# Altium PCB xialeste.PcbDoc (part 9 of 10) (continued)
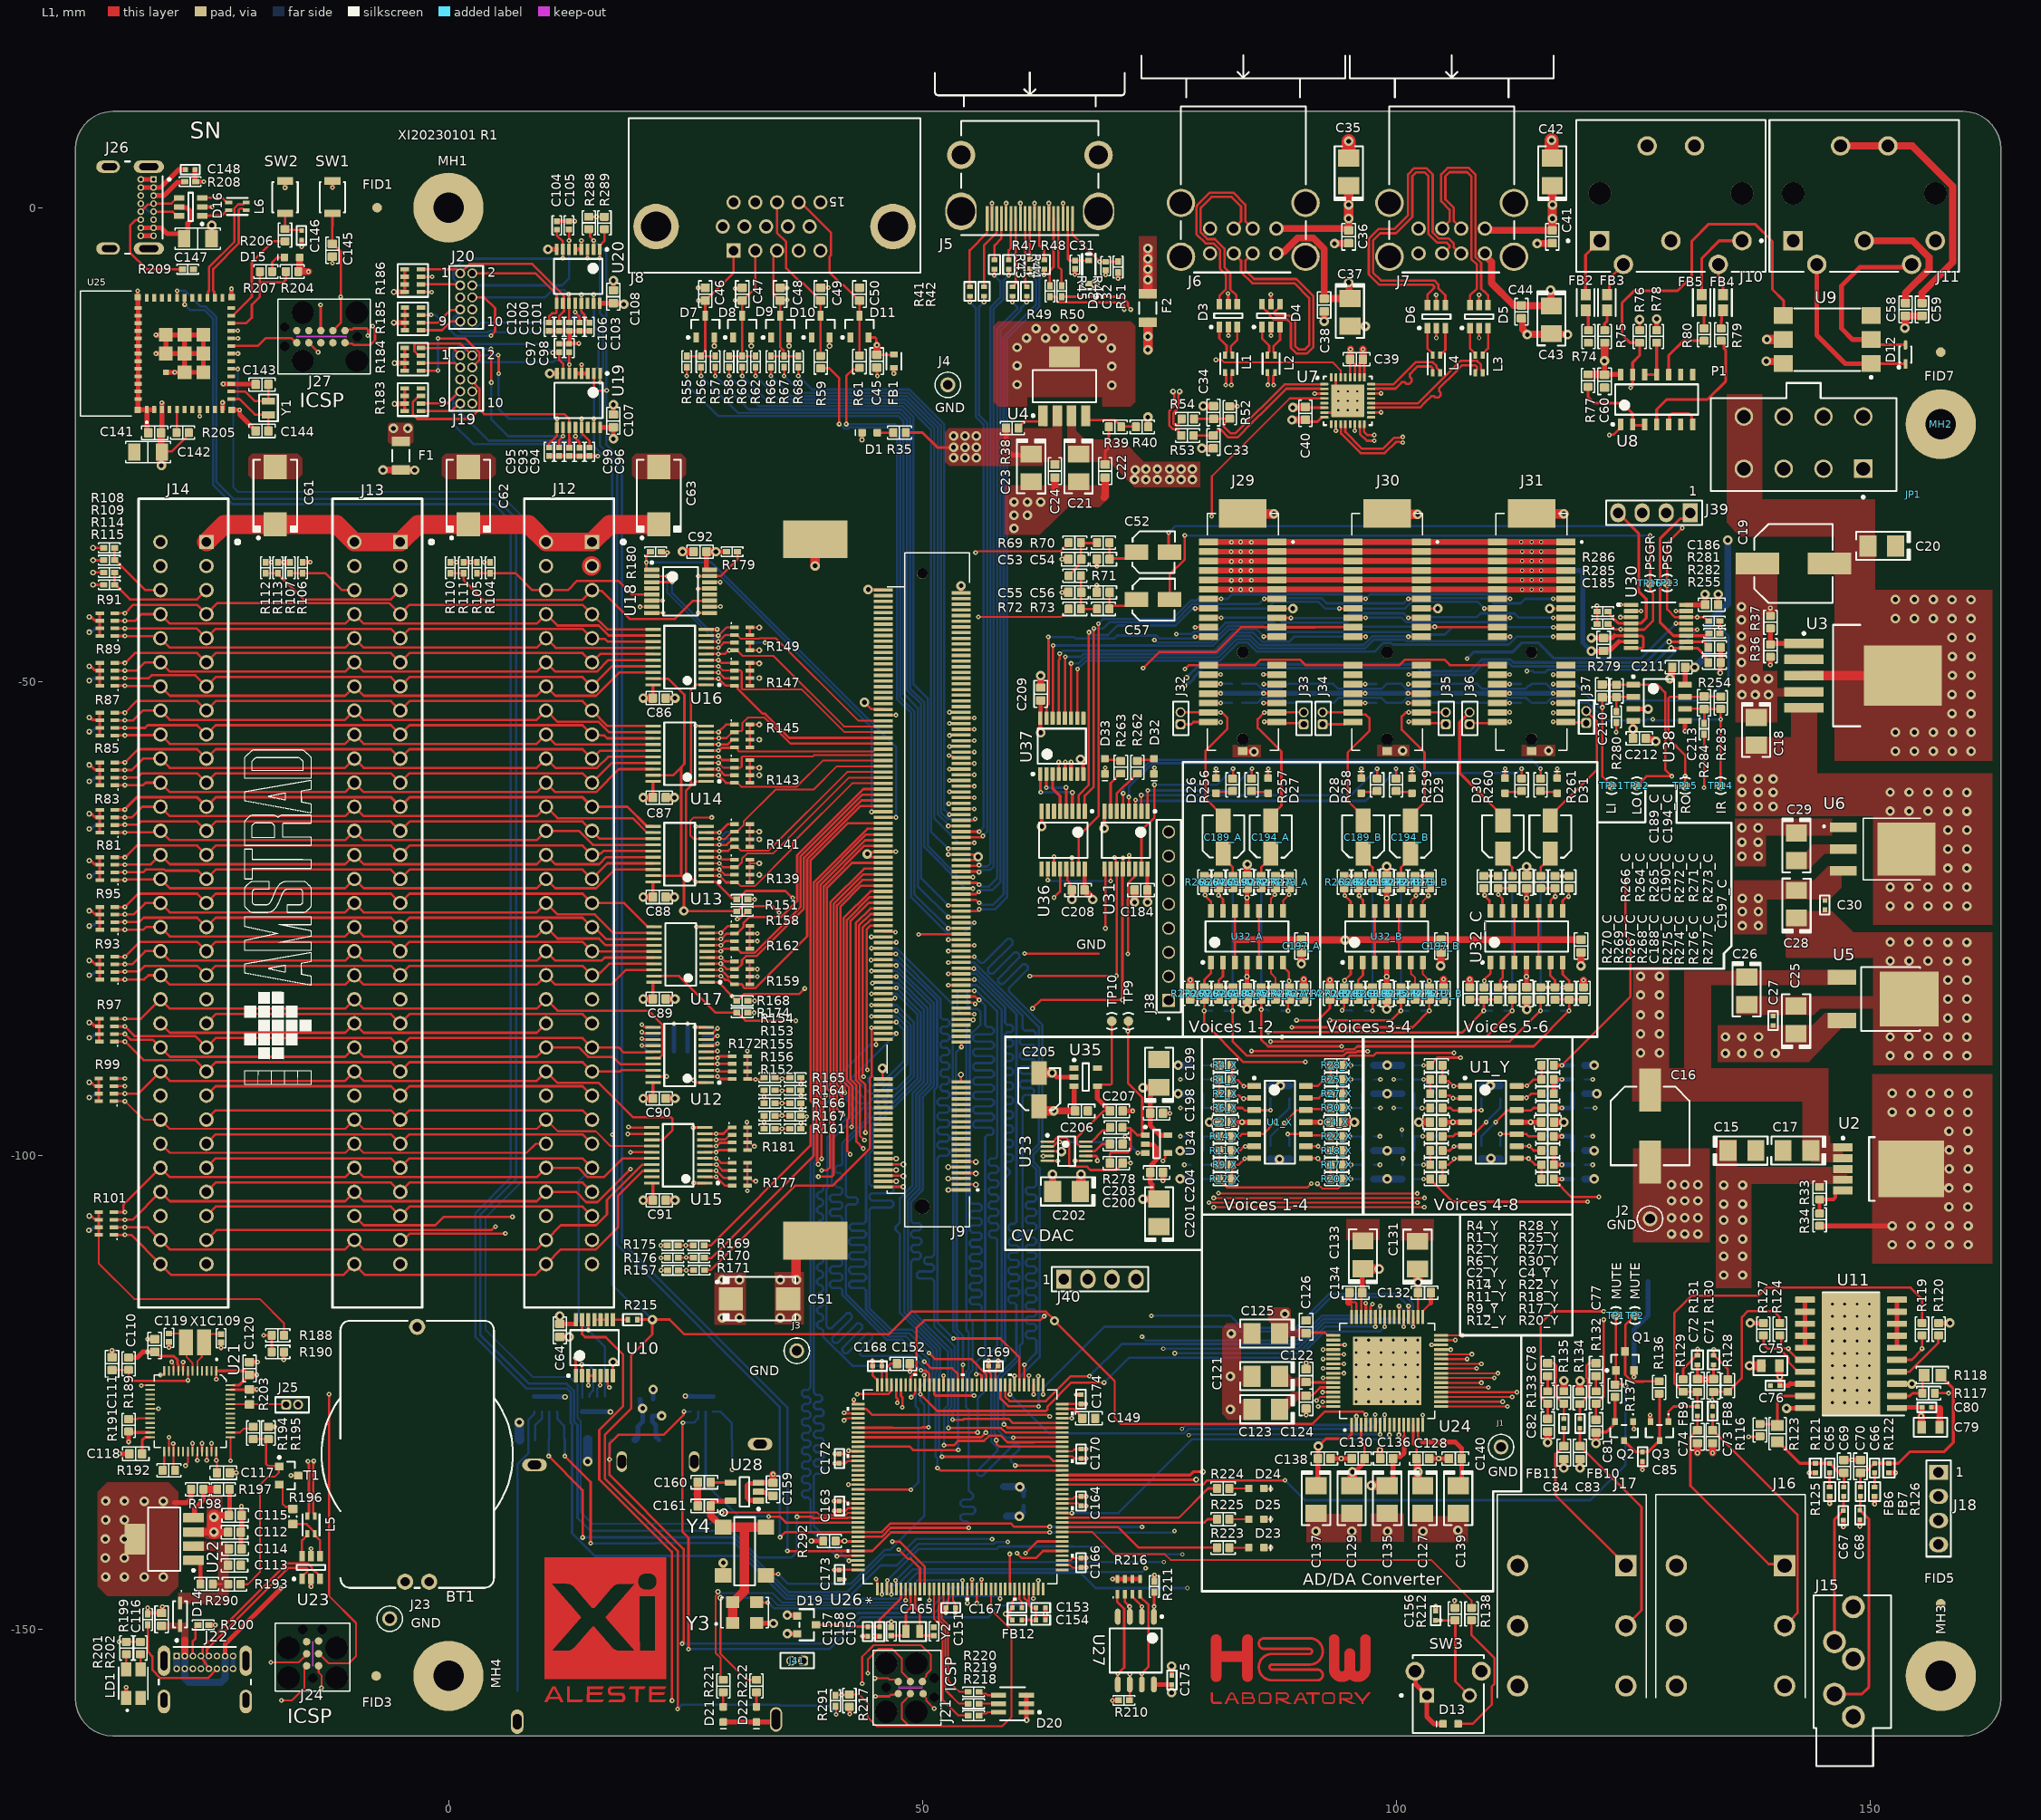
[diagram p0: L1 view]
## Nets (pads, with @x,y where several pads share a name; then routed paths per layer and width w, separated by ;. In a path a pad name is that pad's centre, name@x,y a point inside that pad or via, vN(x,y) a via of type N, cw(c..) or ccw(c..) an arc to the next point about the centre after c; other vN are vias at no path point) (continued)
SDMMC2_D0: J28.7 R214.1 U26.75 | length 81.8
  L1 w0.25: v1@12.251,-131.692 12.251,-131.716 15.008,-134.473 v1(15.008,-140.95) ; v1(61.75,-125.229) U26.75@61.75,-124.224
  L3 w0.25: v1(59.04,-140.796) 59.083,-140.796 61.375,-138.505 61.375,-125.671 61.75,-125.296 v1(61.75,-125.229)
  L6 w0.25: R214.1@11.45,-127.05 11.474,-127.074 11.474,-127.811 12.204,-128.541 12.204,-129.882 12.252,-129.93 J28.7@12.27,-130.02 12.279,-130.029 v1(12.279,-131.744) ; v1(15.008,-140.95) 21.809,-140.95 21.854,-140.905 30.2,-140.905 35.745,-146.45 42.439,-146.45 45.608,-143.28 47.32,-143.28 49.603,-140.997 57.578,-140.997 57.771,-140.804 59.033,-140.804 v1(59.04,-140.796)
SDMMC2_D1: J28.8 R214.2 U26.76 | length 83.5
  L1 w0.25: v1@10.612,-131.682 10.612,-131.782 14.161,-135.331 v1(14.161,-140.334) ; U26.76@61.25,-124.224 v1(61.249,-123.251)
  L3 w0.25: v1(57.371,-140.497) 58.463,-139.404 59.98,-139.404 61.025,-138.36 61.025,-125.086 61.249,-124.862 v1(61.249,-123.251)
  L6 w0.25: v1(10.574,-131.744) 10.574,-130.024 J28.8@10.57,-130.02 10.592,-129.951 10.65,-129.893 R214.2@10.65,-127.05 ; v1(14.161,-140.334) 14.178,-140.317 30.107,-140.317 35.89,-146.1 42.082,-146.1 46.016,-142.166 47.634,-142.166 49.303,-140.497 v1(57.371,-140.497)
SDMMC2_D2: J28.9 R213.1 U26.126 | length 21.3
  L1 w0.25: v1@42.207,-134.749 U26.126@43.224,-134.75
  L3 w0.25: v1(29.937,-133.178) 35.033,-133.178 36.605,-134.75 v1(42.206,-134.749) v1(42.206,-134.749)
  L6 w0.25: R213.1@27.95,-127.05 28.695,-127.05 29.89,-128.244 J28.9@29.89,-130.02 29.937,-130.067 v1(29.937,-133.178)
SDMMC2_D3: J28.1 R213.2 U26.134 | length 25.4
  L1 w0.25: v1(33.793,-138.125) 34.976,-138.125 35.601,-138.75 U26.134@43.224,-138.75
  L6 w0.25: R213.2@27.15,-127.05 27.15,-129.649 27.15,-134.658 30.586,-138.093 33.761,-138.093 v1(33.793,-138.125)
SER_VUSB: C147.2 C148.1 D16.5 J26.A4 J26.A9 J26.B4 J26.B9 | length 21
  L1 w0.5: J26.B4@-32.47,-2.125 J26.A9@-31.12,-2.125 -30.314,-2.125 -29.68,-2.759 C147.2@-28.18,-2.759 ; J26.B9@-32.47,2.125 J26.A4@-31.12,2.125 -30.374,2.125 -28.499,4 C148.1@-27.75,4 ; D16.5@-28.4,0.075 -28.35,0.025 -27.625,0.025 -27.2,-0.4 -27.2,-1.329 -27.505,-1.634 -27.505,-2.705 C147.2@-27.9,-3.1
  L1 w0.75: C147.2@-28.18,-2.759 -27.905,-3.034 C147.2@-27.905,-3.284
  L4 (PWR) w0.4: J26.B4@-32.47,-2.125 -33.113,-2.125 -33.552,-1.686 -33.552,1.686 -33.113,2.125 J26.B9@-32.47,2.125
SPI1_MISO: U26.42
SPI1_MOSI: J40.3 U26.43 U33.5 | length 53
  L1 w0.25: v1(60.9,-142) 62.15,-140.75 U26.43@64.776,-140.75 ; U33.5@63.202,-100.572 64.272,-100.572 v1(64.3,-100.6)
  L3 w0.25: v1(60.9,-142) 62.6,-140.3 62.6,-127.736 64.191,-126.146 64.191,-120.909 70.017,-115.083 J40.3@70.017,-113.072 ; v1(64.3,-100.6) 64.9,-101.2 64.9,-105.5 70.044,-110.644 J40.3@70.044,-113.044
SPI1_nCS: J40.4 U26.110 U33.6 U36.11 U37.4 | length 101.2
  L1 w0.25: U26.110@43.522,-126.75 43.524,-126.752 44.071,-126.752 44.719,-127.4 63.228,-127.4 63.384,-127.556 v1(63.452,-127.556) ; U36.11@63.899,-69.899 v1(63.9,-68.5) v1(63.9,-68.5) ; v1(64.4,-58.5) 64.401,-58.501 U37.4@64.402,-59.772 U37.4@64.402,-59.772 ; v1(66.127,-100.57) 66.129,-100.572 U33.6@67.252,-100.572
  L3 w0.25: v1(63.452,-127.556) 64.541,-126.467 64.541,-123.159 72.557,-115.143 72.557,-113.272 J40.4@72.557,-113.072 72.557,-110.757 65.477,-103.677 65.477,-101.22 v1(66.127,-100.57) 66.127,-86.227 64.6,-84.7 64.6,-70.026 63.9,-69.326 v1(63.9,-68.5) 63.9,-59 v1(64.4,-58.5)
SPI1_SCK: J40.2 U26.41 U33.4 U36.12 | length 83.7
  L1 w0.2: v1(62.75,-100.097) 62.775,-100.072 U33.4@63.202,-100.072
  L1 w0.25: v1(60,-142) 60.475,-142.475 62.02,-142.475 62.745,-141.75 U26.41@64.776,-141.75 ; v1(63.9,-72.8) 64.547,-72.153 U36.12@64.547,-69.8
  L3 w0.25: v1(60,-142) 62.2,-139.8 62.2,-127.641 63.841,-126.001 63.841,-118.659 67.477,-115.023 67.477,-113.272 J40.2@67.477,-113.072 67.477,-110.651 62.75,-105.924 v1(62.75,-100.097) ; v1@62.716,-100.063 62.716,-85.984 63.9,-84.8 v1(63.9,-72.8)
SPI2_MISO: U26.28
SPI2_MOSI: J38.03 U26.29 U31.14 | length 94.3
  L1 w0.25: v1(59.233,-142.071) 59.242,-142.079 59.242,-145.731 U26.29@59.254,-145.743 ; v1(60.79,-78.712) 60.821,-78.742 68.61,-78.742 ; v5(71.7,-78.74) 71.7,-73.625 71.675,-73.6 71.675,-73 71.7,-72.975 71.7,-71.3 72.375,-70.625 72.375,-69.9 U31.14@72.475,-69.8 U31.14@72.461,-69.786
  L3 w0.25: v1(59.233,-142.071) 61.804,-139.5 61.804,-126.308 61.948,-126.164 61.948,-125.961 62.225,-125.684 62.225,-125.082 62.719,-124.588 62.719,-120.065 60.475,-117.822 60.475,-82.131 60.79,-81.816 v1(60.79,-78.712) ; 68.612,-78.74 v5(71.7,-78.74) ; v5(71.7,-78.74) 71.748,-78.692 75.779,-78.692 J38.03@76.075,-78.396
SPI2_nCS: J29.A9 J30.A9 J31.A9 J38.02 U26.73 U31.11 | length 149.5
  L1 w0.25: v1(61.349,-81.082) 61.37,-81.062 v1(70.503,-81.062) 70.514,-81.051 70.514,-69.811 U31.11@70.525,-69.8 70.425,-69.7 70.425,-68.759 70.294,-68.628 v1(70.294,-68.574) ; v1(62.75,-125.229) U26.73@62.75,-124.224 ; J29.A9@87.42,-43.28 87.43,-43.29 88.89,-43.29 v1(88.9,-43.3) ; v1(101.3,-43.28) J30.A9@102.66,-43.28 ; v1@116.6,-43.28 J31.A9@117.9,-43.28
  L3 w0.25: v1(61.349,-81.082) 61.349,-82.824 60.874,-83.299 60.874,-117.374 63.163,-119.663 63.163,-124.793 v1@62.723,-125.233 ; v1(70.294,-68.574) 70.294,-60.506 70.9,-59.9 70.9,-45.405 72.205,-44.1 77.5,-44.1 78.155,-44.755 79.398,-44.755 81.348,-42.805 83.205,-42.805 83.7,-43.3 v1(88.9,-43.3) ; v1(70.503,-81.062) 70.532,-81.091 75.971,-81.091 J38.02@76,-81.12
  L6 w0.25: v1(88.9,-43.3) 94.578,-43.3 95.073,-42.805 100.825,-42.805 v1(101.3,-43.28) ; v1@101.4,-43.2 108.525,-43.2 108.92,-42.805 112.483,-42.805 112.958,-43.28 v1(116.575,-43.28)
SPI2_SCK: J29.B9 J30.B9 J31.B9 J38.01 U26.101 U31.12 | length 154.2
  L1 w0.25: U26.101@48.75,-124.224 48.765,-124.209 48.765,-123.407 49.386,-122.786 49.386,-118.248 50.221,-117.413 62.428,-117.413 v1(62.866,-116.976) ; v1(61.631,-84.509) 62.535,-83.605 v1(71.121,-83.605) 71.121,-69.854 U31.12@71.175,-69.8 ; U31.12@71.18,-69.68 71.18,-68.618 v1(71.185,-68.613) ; J29.B9@80.22,-43.28 v1(81.545,-43.28) ; J30.B9@95.46,-43.28 v1(96.785,-43.28) ; J31.B9@110.7,-43.28 v1(112.025,-43.28)
  L3 w0.25: v1(61.631,-84.509) 61.583,-84.557 61.583,-84.723 61.525,-84.78 61.525,-115.635 62.832,-116.942 v1@62.924,-116.942 ; v1(71.121,-83.605) 75.805,-83.605 J38.01@75.9,-83.7 ; v1(71.185,-68.613) 70.725,-68.154 70.725,-60.675 71.3,-60.1 71.3,-45.5 72.3,-44.5 77.1,-44.5 78.375,-45.775 79.525,-45.775 81.545,-43.755 v1(81.545,-43.28)
  L6 w0.25: v1(81.545,-43.28) 87.48,-43.28 87.975,-43.775 94.825,-43.775 95.32,-43.28 v1(96.785,-43.28) 100.628,-43.28 101.103,-43.755 103.878,-43.755 103.883,-43.75 111.555,-43.75 112,-43.305 v1@112,-43.3
SPI_D1: J29.B10 J38.04 U31.9 | length 55.9
  L1 w0.25: U31.9@69.1,-69.7 69.329,-69.929 v1(69.329,-76.049) ; v1@78.82,-44.28 J29.B10@80.22,-44.28
  L3 w0.25: J38.04@76,-76.04 75.995,-76.045 69.334,-76.045 v1(69.329,-76.049) 69.329,-67.029 68.475,-66.175 68.475,-61.73 70.5,-59.705 70.5,-45.1 72,-43.6 77.7,-43.6 78.38,-44.28 v1(78.8,-44.28)
SPI_D2: J29.A10 J30.B10 J38.05 | length 50.1
  L1 w0.25: v1(73.3,-48.6) 75,-46.9 81,-46.9 83.62,-44.28 J29.A10@87.42,-44.28 87.43,-44.29 91.435,-44.29 91.445,-44.28 J30.B10@95.46,-44.28
  L3 w0.25: v1(73.3,-48.6) 73.3,-55.564 74.975,-57.239 74.975,-64.135 74.74,-64.37 74.74,-70.987 76,-72.247 J38.05@76,-73.4
SPI_D3: J30.A10 J31.B10 J38.06 | length 66.1
  L1 w0.25: J30.A10@102.66,-44.28 102.688,-44.253 104.053,-44.253 v1(104.08,-44.225) ; v1@104.08,-44.28 J31.B10@110.7,-44.28
  L3 w0.25: J38.06@76,-70.9 76,-69.707 75.09,-68.797 75.09,-65.005 76.15,-63.945 76.15,-57.248 74.025,-55.123 74.025,-45.428 74.453,-45 v1(76.8,-45)
  L6 w0.25: v1(76.8,-45) 78.428,-45 78.673,-44.755 81.045,-44.755 82,-43.8 87.1,-43.8 87.525,-44.225 v1@104.075,-44.225
SPI_D4: J31.A10 J38.07 | length 69.1
  L1 w0.25: v1(116.6,-44.3) 116.61,-44.29 117.89,-44.29 J31.A10@117.9,-44.28
  L3 w0.25: v1(74.5,-45.625) 74.548,-45.673 74.548,-45.844 74.6,-45.896 74.6,-55.203 76.91,-57.513 76.91,-66.69 76.09,-67.51 76.09,-68.33 J38.07@76,-68.42
  L6 w0.25: v1@74.5,-45.6 74.529,-45.6 74.804,-45.875 80.525,-45.875 82.25,-44.15 85.95,-44.15 86.605,-44.805 101.497,-44.805 101.742,-45.05 105.15,-45.05 105.92,-44.28 116.58,-44.28 v1(116.6,-44.3)
SPI_SDO: U33.7 U36.14 | length 35.9
  L1 w0.2: v1(65.8,-68.6) 65.824,-68.624 65.824,-69.776 U36.14@65.847,-69.8
  L1 w0.25: U33.7@67.252,-100.072 68.331,-100.072 68.477,-100.218 v1(68.477,-100.572)
  L3 w0.2: v1(65.8,-68.6) 67.3,-70.1 67.3,-99.395 v1(68.477,-100.572)
STUSB_D_N: L5.4 U21.32 | length 19.3
  L1 w0.25: v1(-26.5,-132.2) U21.32@-26.5,-131.62 ; L5.4@-14.9,-138.075 -14.9,-137.9 -14.725,-137.725 -14.725,-135.237 -14.725,-132.588 -14.799,-132.513 -14.799,-132.324 v1(-14.838,-132.286)
  L3 w0.2: v1(-26.5,-132.2) -26.5,-131.8 -26.324,-131.624 -14.887,-131.624 -14.75,-131.761 -14.75,-132.044 -14.79,-132.084 -14.79,-132.212 v1@-14.826,-132.248
  L6 w0.25: v1(-14.838,-132.286) -14.838,-132.31 v1@-14.812,-132.336
STUSB_D_P: L5.3 U21.33 | length 20.1
  L1 w0.25: U21.33@-26,-131.25 v1(-26,-130.4) ; -14.275,-135.423 -14.275,-137.725 -14.1,-137.9 L5.3@-14.1,-138.075 ; -14.275,-135.423 -14.275,-132.571 -14.251,-132.547 -14.251,-132.29 v1(-14.212,-132.252)
  L3 w0.2: v1(-26,-130.4) -26,-131.056 -25.883,-131.174 -14.701,-131.174 -14.3,-131.574 -14.3,-132.01 -14.26,-132.05 -14.26,-132.204 v1(-14.212,-132.252)
SYSCLK: U26.23 Y3.3 | length 26.3
  L1 w0.25: Y3.3@32.52,-147.15 32.57,-147.2 v1(33.7,-147.2) ; U26.23@56.25,-145.776 v1(56.25,-144.772)
  L6 w0.25: v1(33.7,-147.2) 33.768,-147.2 34.373,-147.806 50.848,-147.806 53.054,-145.6 55.422,-145.6 v1(56.25,-144.772)
U5V: C116.2 D14.1 J22.A4 J22.A9 J22.B4 J22.B9 U23.5 | length 27.5
  L1 w0.3: U23.5@-14.5,-142.3 v1(-14.5,-141.5)
  L1 w0.5: J22.A9@-23.575,-152.837 -23.575,-151.575 v1(-17.654,-145.654)
  L1 w0.75: J22.A4@-27.825,-152.837 -27.825,-151.175
  L4 (PWR) w0.5: v1(-17.654,-145.654) -16.654,-145.654 -14.5,-143.5 v1(-14.5,-141.5)
  L6 w0.75: J22.A4@-27.825,-152.837 -27.825,-155.186 -27.386,-155.625 -24.014,-155.625 -23.575,-155.186 J22.A9@-23.575,-152.837
UA5: J26.A5 R208.2 | length 3.9
  L1 w0.5: J26.A5@-31.12,1.275 -30.025,1.275 -28.6,2.7 -27.875,2.7 R208.2@-27.825,2.75
UB5: J26.B5 R209.2 | length 10.5
  L1 w0.25: J26.B5@-32.47,-1.275 -32.48,-1.285 -32.985,-1.285 -33.599,-1.899 -33.599,-4.746 -31.845,-6.5 R209.2@-28.075,-6.5
USB_FS_N: R53.1 U26.104 | length 131
  L1 w0.25: U26.104@47.25,-124.224 47.25,-125.569 47.413,-125.732 47.413,-125.939 47.407,-125.945 47.407,-126.087 v1(47.368,-126.125) ; v3(76.457,-19.4) 76.582,-19.525 76.582,-20.94 76.052,-21.469 76.052,-22.987 76.463,-23.397 76.896,-23.397 77.042,-23.543 77.042,-23.747 R53.1@77.342,-24.047
  L3 w0.2: v1(47.368,-126.125) 47.426,-126.068 47.611,-126.068 47.8,-125.879 47.8,-124.661 47.8,-120.814 48.835,-119.779 56.285,-119.779 58.7,-117.364 58.7,-39.05 76.582,-21.168 76.582,-19.717 76.533,-19.669 76.533,-19.477 v3(76.457,-19.4)
USB_FS_P: R54.1 U26.103 | length 131.1
  L1 w0.25: U26.103@47.75,-124.224 47.75,-125.361 47.913,-125.525 47.913,-126.587 v1(47.9,-126.6) ; v3(77.157,-19.4) 77.032,-19.525 77.032,-21.126 76.502,-21.656 76.502,-22.8 76.649,-22.947 76.921,-22.947 77.067,-22.8 77.067,-22.597 R54.1@77.367,-22.297
  L3 w0.2: v1(47.9,-126.6) 47.957,-126.543 47.957,-126.358 48.25,-126.065 48.25,-124.475 48.25,-121 49.021,-120.229 56.471,-120.229 59.15,-117.55 59.15,-39.236 77.032,-21.355 77.032,-19.717 77.08,-19.669 77.08,-19.477 v3(77.157,-19.4)
USBD0__N: C33.2 R53.2 U7.2 | length 16.6
  L1 w0.25: R53.2@78.642,-24.047 78.645,-24.05 80.55,-24.05 80.6,-24 80.819,-24 81.091,-23.728 81.091,-23.619 81.289,-23.422 81.496,-23.422 82.324,-24.25 83.25,-24.25 84.85,-22.65 86.35,-21.15 88.4,-19.1 92.085,-19.1 92.095,-19.11 92.41,-19.11 U7.2@92.425,-19.125
USBD0__P: C34.2 R52.1 R54.2 U7.1 | length 18
  L1 w0.25: R54.2@78.667,-22.297 C34.2@80.737,-22.297 ; C34.2@80.9,-22.2 C34.2@80.815,-22.285 ; R52.1@82.3,-22.3 82.285,-22.285 C34.2@80.815,-22.285 ; R52.1@82.438,-22.272 82.388,-22.272 81.789,-22.872 81.789,-23.079 82.51,-23.8 83.064,-23.8 88.214,-18.65 92.085,-18.65 92.095,-18.64 92.41,-18.64 U7.1@92.425,-18.625 ; C34.2@80.737,-22.297 80.803,-22.297 C34.2@80.815,-22.285 ; C34.2@80.737,-22.297 80.749,-22.285 C34.2@80.815,-22.285
USBD1_CON1_N: D3.6 J6.2 | length 21.5
  L1 w0.25: D3.6@81.35,-10.2 81.374,-10.176 81.374,-9.275 82.045,-8.603 82.045,-7.081 81.433,-6.469 81.433,-4.497 80.708,-3.772 79.9,-3.772 78.933,-2.805 78.933,-0.056 ccw(c77.3,0.5) 79.008,0.258 80.339,1.589 82.83,1.589 84.095,0.324 84.095,-1.435 J6.2@84.87,-2.21
USBD1_CON1_P: D3.4 J6.3 | length 20.1
  L1 w0.25: J6.3@82.87,-2.21 83.645,-1.435 83.645,0.138 82.643,1.139 80.526,1.139 79.424,0.038 cw(c77.3,0.5) 79.383,-0.122 79.383,-2.619 80.086,-3.322 80.895,-3.322 81.883,-4.311 81.883,-6.283 82.495,-6.895 82.495,-8.628 83.142,-9.275 83.142,-10.092 D3.4@83.25,-10.2
USBD1_CON_N: D3.1 L1.4 | length 3.3
  L1 w0.25: D3.1@81.35,-12.6 81.35,-13.772 82.118,-14.54 82.118,-15.2 81.94,-15.378 L1.4@81.94,-15.553
USBD1_CON_P: D3.3 L1.3 | length 3.3
  L1 w0.25: L1.3@82.74,-15.553 82.74,-15.378 82.568,-15.206 82.568,-14.643 83.25,-13.96 D3.3@83.25,-12.6
USBD1_N: L1.1 U7.11 | length 35.4
  L1 w0.25: L1.1@81.94,-17.403 82.065,-17.528 v1@82.065,-18.725 ; v1(82.015,-18.726) v1@82.064,-18.726 ; U7.11@94.15,-22.85 94.165,-22.865 94.165,-23.225 94.185,-23.245 94.185,-23.836 96.243,-25.894 98.806,-25.894 99.975,-24.725 100.412,-24.725 100.439,-24.752 100.652,-24.752 v1(100.7,-24.8)
  L3 w0.2: v1(82.015,-18.726) 82.073,-18.783 82.073,-18.967 82.098,-18.993 82.098,-21.35 82.095,-21.353 82.095,-23.84 84.18,-25.925 98.51,-25.925 99.635,-24.8 v1(100.7,-24.8)
USBD1_P: L1.2 U7.12 | length 33.9
  L1 w0.25: v1@82.6,-18.7 v1(82.615,-18.715) ; v1@82.615,-18.725 v1(82.615,-18.715) ; L1.2@82.74,-17.403 82.615,-17.528 v1(82.615,-18.715) ; U7.12@94.65,-22.85 94.635,-22.865 94.635,-23.36 94.635,-23.65 96.429,-25.444 98.62,-25.444 99.789,-24.275 100.412,-24.275 100.439,-24.248 100.652,-24.248 v1(100.7,-24.2)
  L3 w0.2: v1(82.615,-18.715) 82.615,-21.468 82.544,-21.539 82.544,-23.654 84.366,-25.476 98.324,-25.476 99.449,-24.351 100.468,-24.351 100.619,-24.2 v1(100.7,-24.2)
USBD2_CON1_N: D4.6 J6.6 | length 25.4
  L1 w0.25: J6.6@84.87,-4.83 84.095,-5.605 84.095,-6.613 85.016,-7.535 89.464,-7.535 91.274,-9.345 91.274,-14.721 90.587,-15.407 89.528,-15.407 88.896,-14.775 88.896,-12.19 88.531,-11.825 87.107,-11.825 86.697,-11.415 86.697,-11.243 86.429,-10.975 86.375,-10.975 85.85,-10.45 D4.6@85.85,-10.2
USBD2_CON1_P: D4.4 J6.7 | length 23.8
  L1 w0.25: J6.7@82.87,-4.83 83.645,-5.605 83.645,-6.8 84.83,-7.985 89.277,-7.985 90.824,-9.531 90.824,-14.534 90.401,-14.957 89.714,-14.957 89.346,-14.589 89.346,-12.003 89.214,-11.872 88.717,-11.375 87.293,-11.375 87.147,-11.229 87.147,-11.021 87.324,-10.845 87.355,-10.845 87.75,-10.45 D4.4@87.75,-10.2
USBD2_CON_N: D4.1 L2.4 | length 3.3
  L1 w0.25: D4.1@85.85,-12.6 85.85,-13.815 86.604,-14.569 86.604,-15.19 86.416,-15.378 L2.4@86.416,-15.553
USBD2_CON_P: D4.3 L2.3 | length 3.3
  L1 w0.25: L2.3@87.216,-15.553 87.216,-15.378 87.053,-15.216 87.053,-14.644 87.75,-13.947 D4.3@87.75,-12.6
USBD2_N: L2.1 U7.15 | length 20.7
  L1 w0.25: L2.1@86.416,-17.403 86.491,-17.478 86.491,-17.768 86.523,-17.8 86.523,-18.652 v1(86.475,-18.7) ; U7.15@96.15,-22.85 96.165,-22.865 96.165,-23.18 96.175,-23.19 96.175,-23.859 96.916,-24.6 v1(97.7,-24.6)
  L3 w0.2: v1(86.475,-18.7) 86.532,-18.757 86.532,-18.956 86.543,-18.967 86.543,-23.66 87.335,-24.453 96.314,-24.453 96.386,-24.525 97.433,-24.525 97.451,-24.543 97.643,-24.543 v1(97.7,-24.6)
USBD2_P: L2.2 U7.16 | length 19.2
  L1 w0.25: v1(87.075,-18.71) 87.04,-18.675 87.04,-17.754 87.216,-17.578 L2.2@87.216,-17.403 ; U7.16@96.65,-22.85 96.635,-22.865 96.635,-23.18 96.625,-23.19 96.625,-23.672 96.95,-23.997 97.697,-23.997 v1(97.7,-24)
  L3 w0.2: v1(87.075,-18.71) 87.018,-18.767 87.018,-18.951 86.992,-18.977 86.992,-23.474 87.521,-24.004 96.5,-24.004 96.572,-24.075 97.433,-24.075 97.451,-24.057 97.643,-24.057 v1(97.7,-24)
USBD3_CON1_N: D5.6 J7.2 | length 23.5
  L1 w0.25: J7.2@106.87,-2.21 106.095,-1.435 106.095,-0.033 105.198,0.864 105.198,3.321 105.626,3.749 107.48,3.749 107.934,3.295 107.934,-5.425 108.526,-6.016 108.526,-8.529 107.8,-9.255 D5.6@107.8,-10.3
USBD3_CON1_P: D5.4 J7.3 | length 24.6
  L1 w0.25: J7.3@105.116,-1.947 105.133,-1.947 105.646,-1.435 105.646,-0.219 104.749,0.678 104.749,3.507 105.44,4.198 107.666,4.198 108.383,3.481 108.383,-5.239 108.974,-5.83 108.974,-8.564 109.25,-8.839 109.304,-8.839 109.7,-9.235 D5.4@109.7,-10.3
USBD3_CON_N: D5.1 L3.4 | length 3.1
  L1 w0.25: D5.1@107.8,-12.7 107.8,-14.85 108.35,-15.4 L3.4@108.35,-15.575
USBD3_CON_P: D5.3 L3.3 | length 3.1
  L1 w0.25: L3.3@109.15,-15.575 109.15,-15.4 109.7,-14.85 D5.3@109.7,-12.7
USBD3_N: L3.1 U7.19 | length 14.5
  L1 w0.25: U7.19@97.375,-21.125 97.39,-21.11 97.705,-21.11 97.716,-21.099 102.504,-21.099 103.072,-20.531 103.696,-19.907 104.018,-19.907 104.152,-20.042 104.474,-20.042 104.688,-19.827 104.688,-19.506 104.554,-19.371 104.554,-19.049 106.341,-17.262 106.979,-16.624 108.363,-16.624 108.509,-16.77 108.509,-17.091 108.35,-17.25 L3.1@108.35,-17.425
USBD3_P: L3.2 U7.20 | length 14.5
  L1 w0.25: U7.20@97.375,-20.625 97.39,-20.64 97.705,-20.64 97.716,-20.651 102.318,-20.651 106.793,-16.175 108.549,-16.175 108.958,-16.584 108.958,-17.058 109.15,-17.25 L3.2@109.15,-17.425
USBD4_CON1_N: D6.6 J7.6 | length 36.4
  L1 w0.25: 97.125,-5.894 97.125,-3.278 98.143,-2.26 99.798,-2.26 101.265,-0.793 101.265,3.514 101.913,4.162 103.215,4.162 103.866,3.511 103.866,-2.602 104.507,-3.243 105.527,-3.243 106.095,-3.811 106.095,-4.204 106.721,-4.83 J7.6@106.87,-4.83 ; 97.125,-5.895 97.125,-7.048 98.216,-8.138 103.862,-8.138 104.009,-8.284 104.009,-8.492 103.3,-9.2 D6.6@103.3,-10.3
USBD4_CON1_P: D6.4 J7.7 | length 34.9
  L1 w0.25: 97.574,-5.895 97.574,-6.862 98.402,-7.689 104.048,-7.689 104.458,-8.099 104.458,-8.505 105.2,-9.248 D6.4@105.2,-10.3 ; 97.575,-5.894 97.575,-3.464 98.33,-2.71 99.984,-2.71 101.715,-0.979 101.715,3.327 102.1,3.712 103.029,3.712 103.416,3.325 103.416,-2.788 104.321,-3.693 105.341,-3.693 105.645,-3.997 105.645,-4.204 105.019,-4.83 J7.7@104.87,-4.83
USBD4_CON_N: D6.1 L4.4 | length 3.1
  L1 w0.25: D6.1@103.3,-12.7 103.3,-14.85 103.84,-15.391 103.84,-15.565 L4.4@103.85,-15.575
USBD4_CON_P: D6.3 L4.3 | length 3.2
  L1 w0.25: L4.3@104.65,-15.575 104.65,-15.4 104.659,-15.391 104.834,-15.391 105.2,-15.025 D6.3@105.2,-12.7
USBD4_N: L4.1 U7.23 | length 8.9
  L1 w0.25: U7.23@97.375,-19.125 97.39,-19.11 97.705,-19.11 97.716,-19.099 98.193,-19.099 98.2,-19.093 98.614,-19.093 98.62,-19.099 99.913,-19.099 99.974,-19.038 100.598,-18.414 100.92,-18.414 101.091,-18.586 101.413,-18.586 101.627,-18.371 101.627,-18.05 101.456,-17.878 101.456,-17.557 102,-17.013 102.253,-16.759 103.691,-16.759 103.837,-16.906 103.837,-17.412 L4.1@103.85,-17.425
USBD4_P: L4.2 U7.24 | length 8.9
  L1 w0.25: U7.24@97.375,-18.625 97.39,-18.64 97.705,-18.64 97.715,-18.65 98.007,-18.65 98.014,-18.644 98.8,-18.644 98.806,-18.65 99.726,-18.65 102.067,-16.31 103.877,-16.31 104.287,-16.719 104.287,-16.887 104.65,-17.25 L4.2@104.65,-17.425
USTA5: J22.A5 R200.2 | length 3.5
  L1 w0.25: J22.A5@-26.975,-152.837 -26.987,-152.825 -26.987,-151.32 -26.702,-151.035 -26.702,-149.737 -26.527,-149.562 R200.2@-26.452,-149.562
USTB5: J22.B5 R199.2 | length 12.5
  L1 w0.25: R199.2@-31.75,-149.551 -31.715,-149.587 -31.715,-152.418 -31.25,-152.883 -31.25,-154.295 -30.382,-155.162 -25.4,-155.162 J22.B5@-24.425,-154.187
VBAT: C157.1 C158.1 D19.3 U26.6 | length 11.7
  L1 w0.25: C158.1@45.5,-149.75 45.5,-149 47.75,-146.75 U26.6@47.75,-145.776
  L1 w0.3: D19.3@38.799,-149.543 41.521,-149.543 41.728,-149.75 C157.1@44.25,-149.75 C158.1@45.5,-149.75
VCOMAD: C137.1 C138.1 C197_A.2 C197_B.2 C197_C.2 U24.1 U32_A.3 U32_A.5 U32_A.10 U32_A.12 U32_B.3 U32_B.5 U32_B.10 U32_B.12 U32_C.3 U32_C.5 U32_C.10 U32_C.12 | length 133.8
  L1 w0.25: U32_A.3@82.997,-79.647 82.997,-77.22 ; U32_A.12@82.997,-74.197 82.997,-77.22 ; 83.024,-77.247 82.997,-77.22 ; U32_A.5@85.537,-79.647 85.537,-77.247 U32_A.10@85.537,-74.197 ; U32_B.3@97.747,-79.647 97.747,-77.247 U32_B.12@97.747,-74.197 ; U32_B.5@100.287,-79.647 100.287,-77.247 U32_B.10@100.287,-74.197 ; 112.437,-77.247 112.497,-77.307 ; U32_C.3@112.497,-79.647 112.497,-77.307 ; U32_C.12@112.497,-74.197 112.497,-77.307 ; 112.557,-77.247 112.497,-77.307 ; U32_C.5@115.037,-79.647 115.037,-77.247 U32_C.10@115.037,-74.197
  L1 w0.3: v2(91.8,-130.7) 92.6,-129.9 94.854,-129.9 95.31,-129.444 U24.1@95.31,-128.95
  L1 w0.5: C137.1@91.565,-134.876 91.75,-134.691 C138.1@91.75,-132 91.775,-131.975 91.775,-130.725 v2(91.8,-130.7)
  L1 w0.75: 83.024,-77.247 85.537,-77.247 C197_A.2@90.017,-77.247 90.033,-77.263 94.615,-77.263 v2(94.63,-77.279) ; v2@94.599,-77.247 97.747,-77.247 100.287,-77.247 C197_B.2@104.767,-77.247 104.768,-77.249 105.748,-77.249 105.75,-77.25 105.753,-77.247 112.437,-77.247 ; 112.557,-77.247 115.037,-77.247 C197_C.2@119.517,-77.247
  L3 w0.5: v2(91.8,-130.7) 93.071,-129.429 93.071,-119.797 93.049,-119.775 93.049,-96.042 91.738,-94.732 91.738,-80.171 v2(94.63,-77.279)
VCOMDA: C139.1 C140.1 U24.15 | length 9.8
  L1 w0.2: 102.306,-129.2 102.306,-129.847 102.709,-130.25 102.75,-130.25
  L1 w0.5: 102.75,-130.25 106.25,-130.25 106.925,-130.925 C140.1@106.925,-132 106.925,-134.516 C139.1@106.565,-134.876
VDDA: C153.1 C154.1 FB12.2 U26.32 U26.33 | length 7
  L1 w0.2: FB12.2@60.5,-149.05 FB12.2@60.55,-149 ; U26.32@60.75,-145.776 60.744,-145.782 60.744,-146.716 61.03,-147.002 61.25,-147.002 ; U26.33@61.25,-145.776 61.25,-147.002 ; C154.1@61.95,-149.1 C154.1@62,-149.05 ; C153.1@62,-147.75 61.5,-147.75 61.25,-147.5 61.25,-147.002
  L1 w0.3: FB12.2@60.55,-149 61.35,-149 61.45,-149.1 C154.1@61.95,-149.1 ; C154.1@62,-149.05 C153.1@62,-147.75
VGA_HSYNC: J9.83 R59.2 | length 73.3
  L1 w0.25: R59.2@39.275,-16.95 40.2,-16.95 41.229,-17.979 v1(41.229,-22.845) ; J9.83@54.1,-75.45 v1(55.5,-75.45)
  L6 w0.25: v1(41.229,-22.845) 41.307,-22.845 41.782,-23.32 42.176,-23.32 42.301,-23.195 46.385,-23.195 47.325,-24.136 47.325,-51.825 48.825,-53.325 48.825,-72.797 52.553,-76.525 54.425,-76.525 v1(55.5,-75.45)
VGA_VSYNC: J9.81 R61.2 | length 68.8
  L1 w0.25: v1(41.979,-22.845) 41.979,-17.771 42.678,-17.072 43.203,-17.072 R61.2@43.375,-16.9 ; v1(52.75,-76.05) J9.81@54.1,-76.05
  L6 w0.25: v1(41.979,-22.845) 47.095,-22.845 47.675,-23.425 47.675,-51.675 49.175,-53.175 49.175,-72.475 v1(52.75,-76.05)
VIN1: C189_A.2 J29.B17 J32.2 | length 19
  L1 w0.25: J32.2@77.25,-53.25 77.265,-53.265 80.235,-53.265 80.247,-53.278 81.498,-53.278 v1(81.5,-53.275) ; J29.B17@80.22,-53.28 81.498,-53.28 81.634,-53.28 82.2,-53.846 82.2,-55 79.9,-57.3 79.9,-62.355 81.8,-64.255 C189_A.2@81.8,-64.6
VIN1_N: C191_A.1 R264_A.2 R266_A.2 R268_A.1 U24.51 | length 71.1
  L1 w0.25: R266_A.2@79.767,-70.522 R264_A.2@81.267,-70.522 ; R268_A.1@82.767,-83.572 82.767,-84.733 v1(82.75,-84.75) 82.75,-88 84.225,-89.475 94.442,-89.475 94.767,-89.15 95.75,-89.15 95.875,-89.025 v1(97,-89.025) ; U24.51@93.36,-120 v1(94.571,-120)
  L3 w0.2: v1(94.571,-120) 94.549,-119.977 94.549,-107.561 96.125,-105.985 96.125,-97.118 97,-96.243 v1(97,-89.025)
  L6 w0.25: v1(80.522,-70.506) 82.031,-70.506 82.75,-71.225 v1(82.75,-84.75) C191_A.1@81.925,-84.75
VIN1_P: C191_A.2 R267_A.2 R269_A.2 R270_A.2 U24.52 | length 50.8
  L1 w0.2: v1(92.3,-120.5) U24.52@93.36,-120.5
  L1 w0.25: R270_A.2@78.267,-83.572 R269_A.2@79.767,-83.572 ; R267_A.2@81.267,-83.572 R269_A.2@79.767,-83.572 ; v1(90.442,-90.156) 83.906,-90.156 79.75,-86 v1(79.75,-84.75) 79.758,-84.742 79.758,-83.58 R269_A.2@79.767,-83.572
  L3 w0.2: v1(90.442,-90.156) 90.442,-118.642 v1(92.3,-120.5)
  L6 w0.25: v1(79.75,-84.75) C191_A.2@80.575,-84.75
VIN2: C194_A.2 J29.A17 J33.2 | length 17.3
  L1 w0.25: C194_A.2@86.8,-64.6 86.8,-64.189 87.442,-63.547 87.453,-63.547 87.9,-63.1 87.9,-57.4 85.4,-54.9 85.4,-53.97 v1(86.095,-53.275) 86.097,-53.278 87.417,-53.278 J29.A17@87.42,-53.28 87.435,-53.265 90.235,-53.265 J33.2@90.25,-53.25
VIN2_N: C195_A.1 R271_A.2 R273_A.2 R275_A.1 U24.53 | length 65.1
  L1 w0.2: U24.53@93.36,-121 v1(94.5,-121)
  L1 w0.25: R275_A.1@85.767,-83.572 v1(85.767,-84.617) 85.767,-87.767 86.5,-88.5 v1(94.25,-88.5) ; R271_A.2@87.267,-70.522 R273_A.2@88.767,-70.522
  L3 w0.2: v1(94.25,-88.5) 94.625,-88.875 94.625,-107.061 94.121,-107.564 94.121,-120.621 v1(94.5,-121)
  L6 w0.2: C195_A.1@86.575,-84.75 86.442,-84.617 v1(85.767,-84.617) 85.767,-71.874 87.101,-70.54 v1(88.021,-70.54)
VIN2_P: C195_A.2 R274_A.2 R276_A.2 R277_A.2 U24.54 | length 44.6
  L1 w0.2: v1(92.3,-121.5) U24.54@93.36,-121.5
  L1 w0.25: R274_A.2@87.267,-83.572 R276_A.2@88.767,-83.572 ; v1(88.6,-84.75) 88.6,-83.739 R276_A.2@88.767,-83.572 ; R277_A.2@90.267,-83.572 R276_A.2@88.767,-83.572
  L3 w0.2: v1(88.6,-84.75) 89.172,-84.75 89.975,-85.553 89.975,-119.175 v1(92.3,-121.5)
  L6 w0.25: C195_A.2@87.925,-84.75 v1(88.6,-84.75)
VIN3: C189_B.2 J30.B17 J34.2 | length 17.8
  L1 w0.25: J34.2@92.25,-53.25 92.265,-53.265 95.445,-53.265 J30.B17@95.46,-53.28 95.685,-53.505 96.805,-53.505 97.2,-53.9 97.2,-55.2 94.9,-57.5 94.9,-62.605 96.5,-64.205 C189_B.2@96.5,-64.9
VIN3_N: C191_B.1 R264_B.2 R266_B.2 R268_B.1 U24.55 | length 61.1
  L1 w0.2: U24.55@93.36,-122 v1(94.5,-122)
  L1 w0.25: R266_B.2@94.517,-70.522 R264_B.2@96.017,-70.522 ; v1(97.5,-84.75) 97.517,-84.733 R268_B.1@97.517,-83.572
  L3 w0.2: v1(94.5,-122) 93.821,-121.321 93.821,-107.44 94.325,-106.936 94.325,-94.541 93.8,-94.016 93.8,-86.3 94.6,-85.5 96.75,-85.5 v1(97.5,-84.75)
  L6 w0.2: v1(95.253,-70.51) 96.091,-70.51 97.5,-71.919 v1(97.5,-84.75) C191_B.1@96.675,-84.75
VIN3_P: C191_B.2 R267_B.2 R269_B.2 R270_B.2 U24.56 | length 49.2
  L1 w0.2: v1(92.3,-122.5) U24.56@93.36,-122.5
  L1 w0.25: v1(89.5,-85.75) 91.75,-85.75 93.017,-84.483 R270_B.2@93.017,-83.572 R269_B.2@94.517,-83.572 ; v5(94.3,-84.7) 94.3,-84.632 94.508,-84.424 94.508,-83.581 R269_B.2@94.517,-83.572 ; R267_B.2@96.017,-83.572 R269_B.2@94.517,-83.572
  L3 w0.2: v1(89.5,-85.75) 89.5,-119.157 91.6,-121.257 91.6,-121.8 v1(92.3,-122.5)
  L6 w0.25: v5(94.3,-84.7) 95.275,-84.7 C191_B.2@95.325,-84.75
VIN4: C194_B.2 J30.A17 J35.2 | length 17.1
  L1 w0.25: v1(101.335,-53.25) 101.35,-53.265 102.645,-53.265 J30.A17@102.66,-53.28 102.675,-53.265 105.235,-53.265 J35.2@105.25,-53.25 ; v1@101.35,-53.28 101.02,-53.28 100.6,-53.7 100.6,-55.1 103,-57.5 103,-62.739 101.8,-63.939 C194_B.2@101.8,-64.4
VIN4_N: C195_B.1 R271_B.2 R273_B.2 R275_B.1 U24.57 | length 66.8
  L1 w0.2: U24.57@93.36,-123 v1(94.5,-123)
  L1 w0.25: v1(93,-85.75) 99.5,-85.75 v1(100.5,-84.75) ; v1@100.517,-84.733 R275_B.1@100.517,-83.572 ; R271_B.2@102.017,-70.522 R273_B.2@103.517,-70.522
  L3 w0.2: v1(93,-85.75) 93,-93.64 94.025,-94.665 94.025,-106.812 93.521,-107.316 93.521,-122.021 v1(94.5,-123)
  L6 w0.2: v1@100.517,-84.733 v1(100.5,-84.75) ; C195_B.1@101.325,-84.75 v1(100.5,-84.75) ; v1(102.756,-70.544) 101.366,-70.544 100.5,-71.41 v1(100.5,-84.75)